# Altium PCB netv2mvp-pvt1b.PCBDOC (part 2 of 7) (continued)
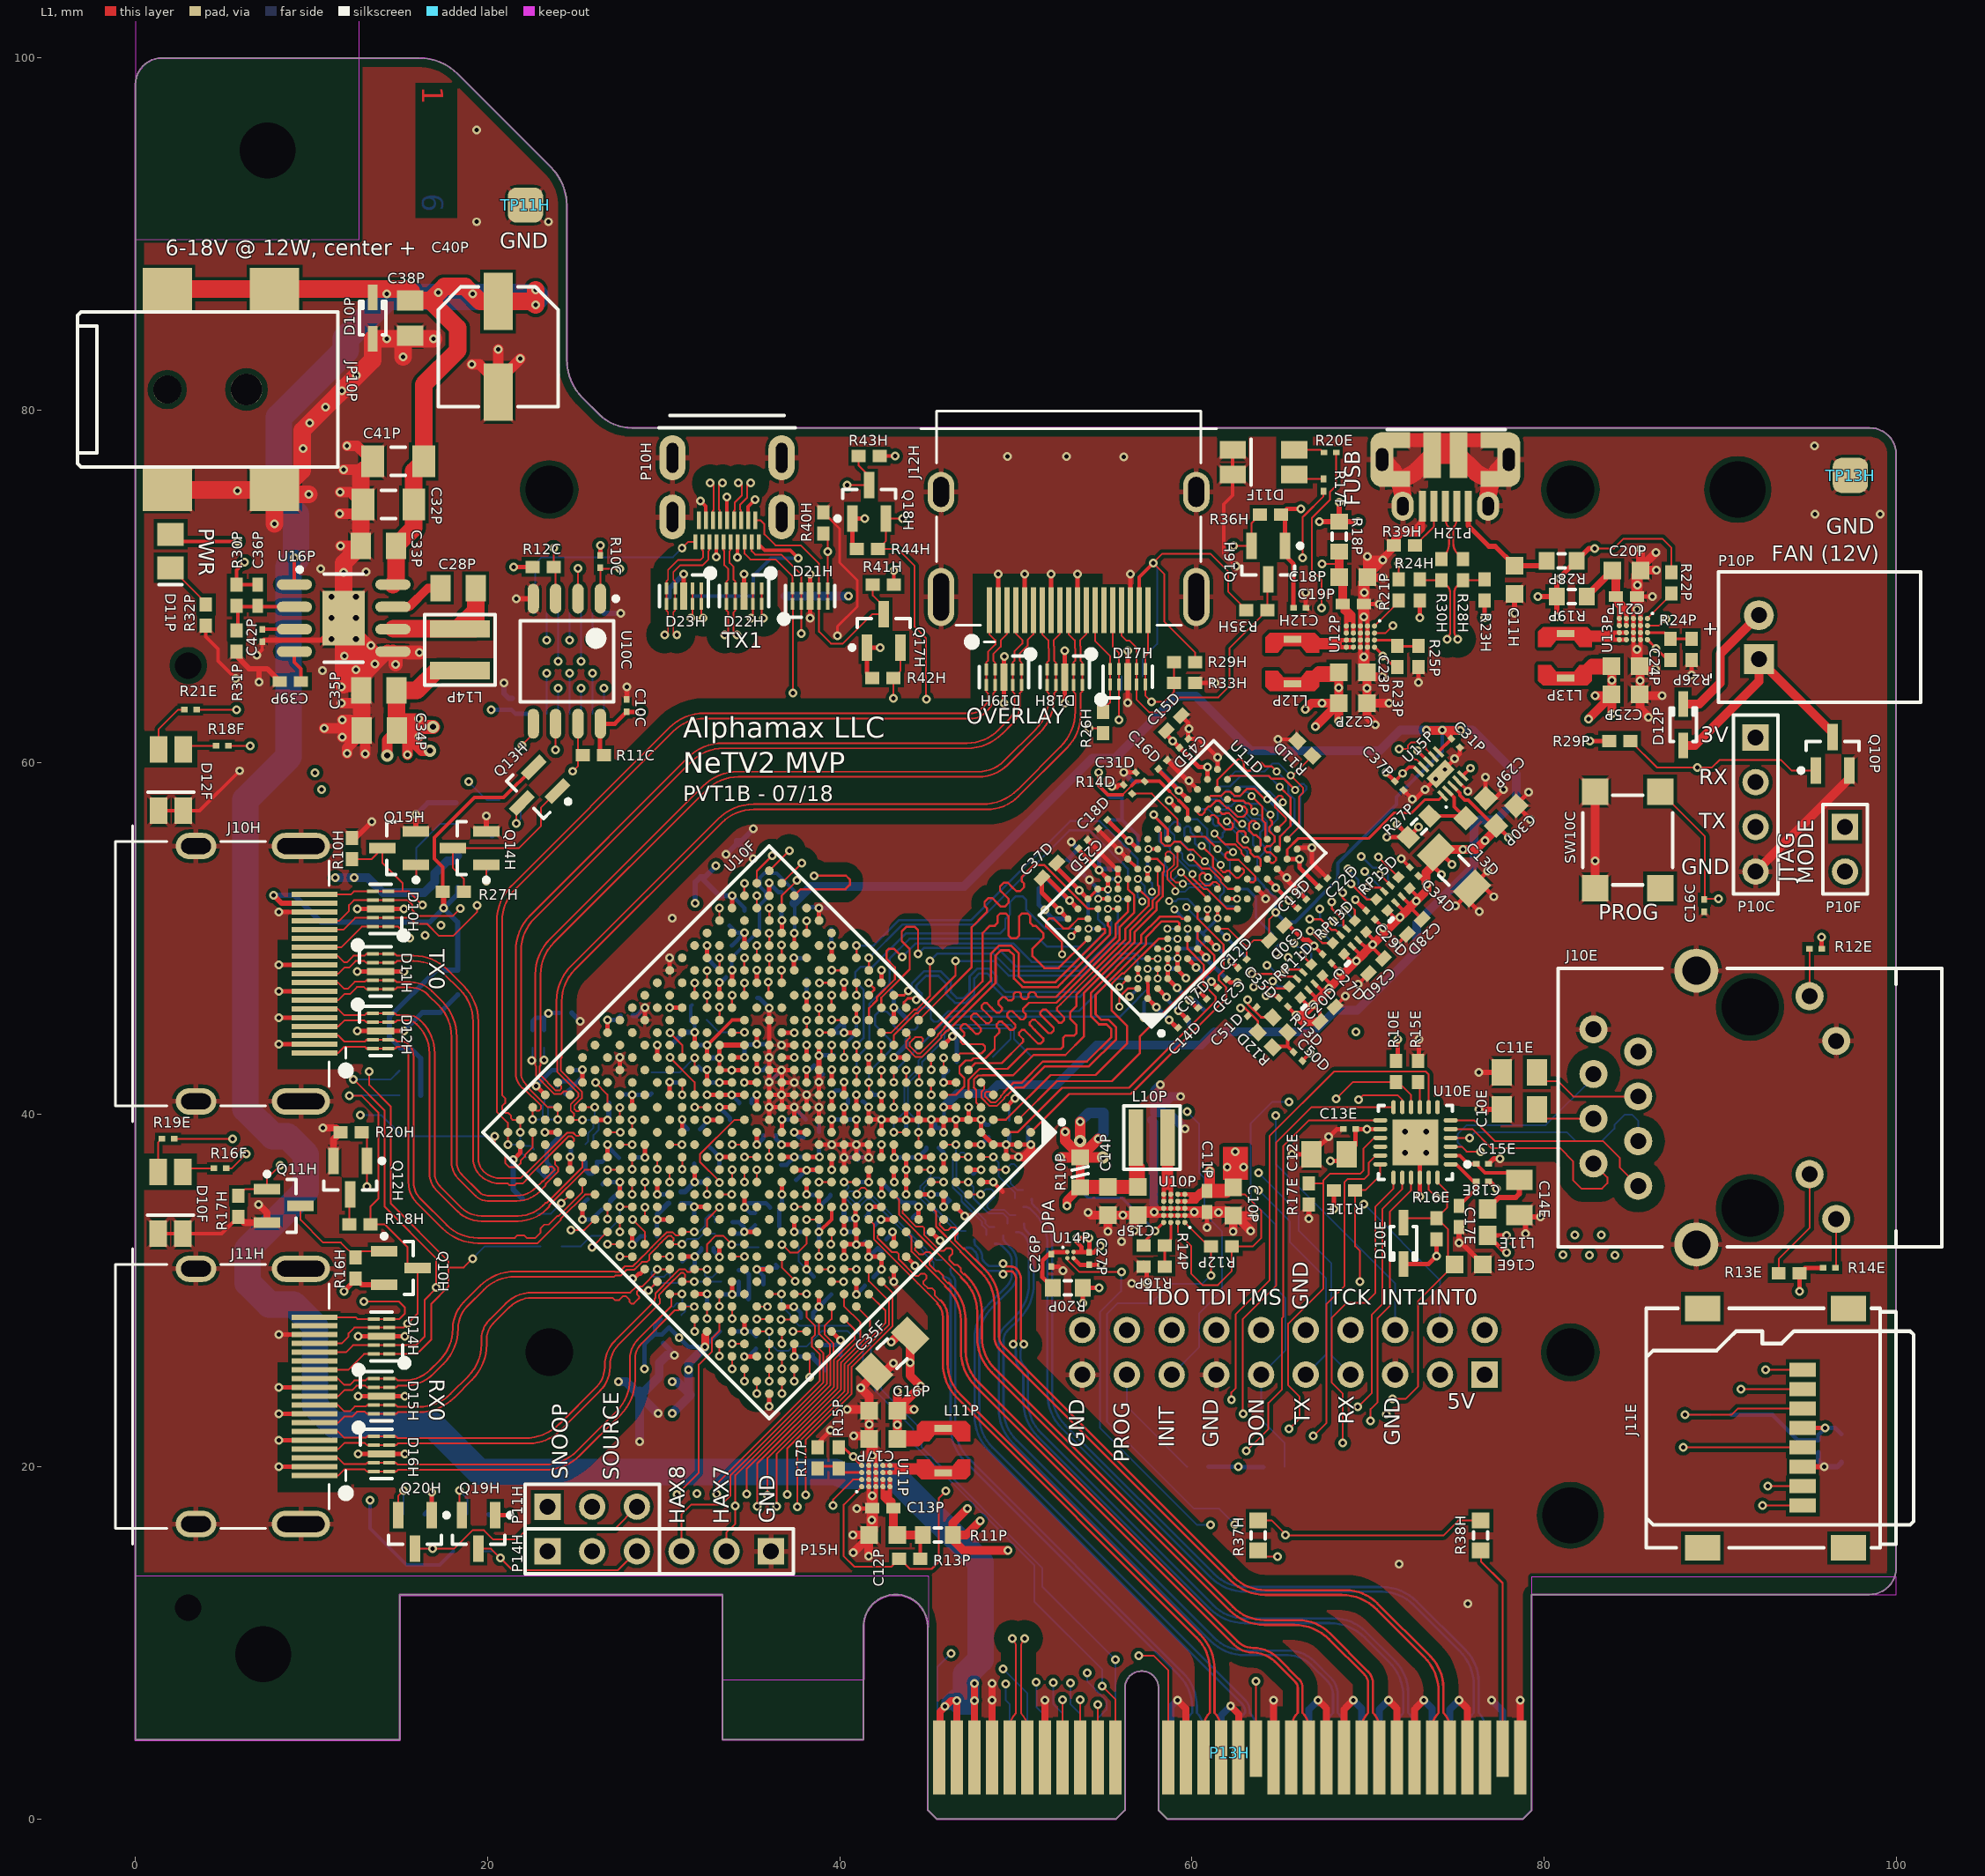
[diagram p0: L1 view]
## Free pads (board coordinates)
  round 2.5 hole 2.7 unplated mask+1.5: 0(23.5,26.5) 0(23.5,75.5) 0(81.5,26.5)
  round 1 smd far side: 0(52.9,34.825) 2(57.9,33.4)
  round 2.5 hole 3.18 unplated mask+2: 0(81.5,17.25) 0(91,75.5)
  round 2.5 hole 2.7 unplated mask+1.3: 0(81.5,75.5)
  rect 2.489x0.051 on Bottom Overlay: 1(81.164,59.052) 1(81.164,59.103) 1(81.164,59.153) 1(83.45,61.439)
  rect 2.54x0.051 on Bottom Overlay: 1(81.189,58.798) 1(81.189,58.899) 1(81.189,58.95) 1(81.189,59.001) 1(81.189,59.204) 1(81.189,59.306) 1(81.189,59.357) 1(81.189,59.407) 1(81.189,58.849) 1(81.189,59.255) 1(81.291,59.611) 1(85.609,59.611) 1(85.711,58.849) 1(85.711,58.899) 1(85.711,58.95) 1(85.711,59.001) 1(85.711,59.052) 1(85.711,59.103) 1(85.711,59.153) 1(85.711,59.204) 1(85.711,59.255) 1(85.711,59.306) 1(85.711,59.357) 1(85.711,59.407)
  rect 2.591x0.051 on Bottom Overlay: 1(81.215,58.747) 1(81.215,59.458) 1(81.215,59.509) 1(81.215,59.56) 1(81.215,58.696) 1(81.266,58.645) 1(85.634,58.645) 1(85.685,58.696) 1(85.685,59.458) 1(85.685,58.747) 1(85.685,58.798) 1(85.685,59.509)
  rect 0.102x0.051 on Bottom Overlay: 1(81.291,61.897) 1(82.358,56.664) 1(84.542,56.664) 1(85.609,61.897)
  rect 0.254x0.051 on Bottom Overlay: 1(81.316,56.41) 1(81.316,61.846) 1(82.332,56.715) 1(84.568,56.715) 1(85.584,56.41) 1(85.584,61.846)
  rect 0.356x0.051 on Bottom Overlay: 1(81.316,56.461) 1(81.316,61.795) 1(82.282,56.766) 1(84.618,56.766) 1(85.584,61.795)
  rect 0.152x0.051 on Bottom Overlay: 1(81.316,56.359) 1(85.584,56.359)
  rect 0.457x0.051 on Bottom Overlay: 1(81.316,61.744)
  rect 0.508x0.051 on Bottom Overlay: 1(81.342,56.512) 1(85.558,56.512) 1(85.558,61.744)
  rect 0.61x0.051 on Bottom Overlay: 1(81.342,56.563) 1(81.342,61.693) 1(85.558,61.693)
  rect 0.711x0.051 on Bottom Overlay: 1(81.342,61.643)
  rect 0.762x0.051 on Bottom Overlay: 1(81.367,56.613) 1(85.533,56.613) 1(85.533,61.643)
  rect 0.864x0.051 on Bottom Overlay: 1(81.367,56.664) 1(81.367,61.592) 1(83.45,62.659) 1(85.533,56.664) 1(85.533,61.592)
  rect 0.965x0.051 on Bottom Overlay: 1(81.367,61.541) 1(83.45,62.506) 1(83.45,62.557) 1(83.45,62.608) 1(85.533,61.541)
  rect 1.016x0.051 on Bottom Overlay: 1(81.393,56.715) 1(83.425,62.455) 1(85.507,56.715)
  rect 2.337x0.051 on Bottom Overlay: 1(81.393,58.595) 1(82.155,60.119) 1(85.507,58.595)
  rect 1.219x0.051 on Bottom Overlay: 1(81.393,61.439) 1(83.425,61.897) 1(85.507,61.439)
  rect 1.118x0.051 on Bottom Overlay: 1(81.393,61.49) 1(81.393,56.766) 1(83.425,62.151) 1(85.507,61.49) 1(85.507,56.766)
  rect 2.286x0.051 on Bottom Overlay: 1(81.418,59.661) 1(84.72,60.119) 1(85.431,59.661)
  rect 2.134x0.051 on Bottom Overlay: 1(81.545,58.544) 1(82.053,60.068) 1(84.847,60.068) 1(85.355,58.544)
  rect 1.829x0.051 on Bottom Overlay: 1(81.596,56.918) 1(81.697,57.172) 1(81.748,57.274) 1(81.748,58.442) 1(81.748,59.763) 1(81.799,58.391) 1(81.799,59.814) 1(82.002,57.833) 1(82.002,57.883) 1(84.898,57.833) 1(84.898,57.883) 1(85.05,59.865) 1(85.101,57.325) 1(85.101,58.391) 1(85.101,58.442) 1(85.101,59.814) 1(85.152,57.223) 1(85.152,57.274) 1(85.152,59.763) 1(85.203,57.172) 1(85.304,56.918)
  rect 1.93x0.051 on Bottom Overlay: 1(81.596,56.969) 1(81.901,58.29) 1(81.901,59.966) 1(82.002,58.036) 1(82.002,57.985) 1(84.898,57.985) 1(84.898,58.036) 1(84.999,59.966) 1(84.999,58.29) 1(85.05,58.341) 1(85.304,56.969)
  rect 2.032x0.051 on Bottom Overlay: 1(81.596,59.712) 1(81.951,58.188) 1(82.002,58.087) 1(82.002,58.137) 1(84.898,58.087) 1(84.898,58.137) 1(84.898,58.188) 1(85.304,59.712)
  rect 1.778x0.051 on Bottom Overlay: 1(81.621,56.867) 1(81.774,57.325) 1(81.824,57.375) 1(81.824,57.426) 1(81.875,57.477) 1(81.926,57.579) 1(84.974,57.579) 1(85.025,57.477) 1(85.076,57.375) 1(85.076,57.426) 1(85.279,56.867)
  rect 1.88x0.051 on Bottom Overlay: 1(81.621,57.02) 1(81.621,57.071) 1(81.672,57.121) 1(81.723,58.493) 1(81.723,57.223) 1(81.824,58.341) 1(81.824,59.865) 1(81.875,59.915) 1(81.977,57.934) 1(84.872,57.934) 1(85.025,59.915) 1(85.177,58.493) 1(85.228,57.071) 1(85.228,57.121) 1(85.279,57.02)
  rect 1.676x0.051 on Bottom Overlay: 1(81.621,56.817) 1(81.977,57.68)
  rect 1.727x0.051 on Bottom Overlay: 1(81.901,57.528) 1(81.951,57.629) 1(82.002,57.731) 1(82.002,57.782) 1(83.425,61.592) 1(84.898,57.68) 1(84.898,57.731) 1(84.898,57.782) 1(84.949,57.629) 1(84.999,57.528) 1(85.253,56.817)
  rect 1.981x0.051 on Bottom Overlay: 1(81.926,58.239) 1(81.977,60.017) 1(83.45,61.541) 1(84.923,60.017) 1(84.974,58.239)
  rect 4.674x0.051 on Bottom Overlay: 1(83.425,60.576)
  rect 5.08x0.051 on Bottom Overlay: 1(83.425,60.881)
  rect 4.877x0.051 on Bottom Overlay: 1(83.425,60.728)
  rect 1.27x0.051 on Bottom Overlay: 1(83.45,61.693) 1(83.45,61.744) 1(83.45,61.795) 1(83.45,61.846)
  rect 4.826x0.051 on Bottom Overlay: 1(83.45,60.169) 1(83.45,60.22) 1(83.45,60.677)
  rect 4.724x0.051 on Bottom Overlay: 1(83.45,60.271) 1(83.45,60.627) 1(83.45,60.322)
  rect 4.623x0.051 on Bottom Overlay: 1(83.45,60.423) 1(83.45,60.474) 1(83.45,60.525) 1(83.45,60.373)
  rect 5.029x0.051 on Bottom Overlay: 1(83.45,60.83)
  rect 5.131x0.051 on Bottom Overlay: 1(83.45,60.931)
  rect 5.232x0.051 on Bottom Overlay: 1(83.45,60.982)
  rect 5.334x0.051 on Bottom Overlay: 1(83.45,61.033) 1(83.45,61.084)
  rect 5.537x0.051 on Bottom Overlay: 1(83.45,61.185) 1(83.45,61.236) 1(83.45,61.338)
  rect 5.639x0.051 on Bottom Overlay: 1(83.45,61.287)
  rect 5.436x0.051 on Bottom Overlay: 1(83.45,61.389) 1(83.45,61.135)
  rect 1.473x0.051 on Bottom Overlay: 1(83.45,61.643)
  rect 1.168x0.051 on Bottom Overlay: 1(83.45,61.947) 1(83.45,61.998) 1(83.45,62.049) 1(83.45,62.1)
  rect 1.067x0.051 on Bottom Overlay: 1(83.45,62.303) 1(83.45,62.354) 1(83.45,62.405) 1(83.45,62.201) 1(83.45,62.252)
  rect 4.928x0.051 on Bottom Overlay: 1(83.45,60.779)
  rect 2.184x0.051 on Bottom Overlay: 1(83.45,61.49)
  rect 0.66x0.051 on Bottom Overlay: 1(85.533,56.563)
  rect 0.406x0.051 on Bottom Overlay: 1(85.558,56.461)
  rect 2.642x0.051 on Bottom Overlay: 1(85.66,59.56)
  round 1.3 hole 1.5 unplated: LP(3,12) LP(3,65.5)
  round 2.88 hole 3.18 unplated: MH1(7.25,9.35) MH2(7.5,94.75)

## Via types
v1: diameter 0.5, hole 0.25, L1 to L6, tented both sides, 895 vias
v2: diameter 0.45, hole 0.25, L1 to L6, tented both sides, 57 vias
v3: diameter 0.7, hole 0.33, L1 to L6, 6 vias
v4: diameter 0.7, hole 0.33, L1 to L6, tented both sides, 5 vias
v5: diameter 0.66, hole 0.33, L1 to L6, tented top, 4 vias
v6: diameter 0.5, hole 0.25, L1 to L6, tented top, 2 vias

## Nets (pads, with @x,y where several pads share a name; then routed paths per layer and width w, separated by ;. In a path a pad name is that pad's centre, name@x,y a point inside that pad or via, vN(x,y) a via of type N, cw(c..) or ccw(c..) an arc to the next point about the centre after c; other vN are vias at no path point)
BST5.0: C28P.2 U16P.7 | length 3.1
  L1 w0.5: U16P.7@14.625,68.835 15.535,68.835 16.6,69.9 C28P.2@17.325,69.9
CEC: D10H.1 D10H.10 D14H.1 D14H.10 J10H.13 J11H.13 R15H.1 | length 46.2
  L1 w0.1: J11H.13@10.16,25.5 12.075,25.5 12.975,26.4 D14H.10@13.538,26.4 D14H.1@14.413,26.4 15.975,26.4 16.8,27.225 16.8,29.25 17.775,30.225 17.775,31.325 ; J10H.13@10.16,49.5 11.675,49.5 12.85,50.675 D10H.10@13.487,50.675 D10H.1@14.362,50.675 14.925,50.675 v1(15.575,50.025) ; v1(13.275,42.45) 13.275,41.675 14.5,40.45 14.5,34.95 17.775,31.675 17.775,31.325 ; v1(19.15,31.825) 18.65,31.325 17.775,31.325
  L3 w0.1: v1(13.275,42.45) 12.15,43.575 12.15,46.6 v1(15.575,50.025)
  L6 w0.1: v1(19.15,31.825) 19.85,32.525 R15H.1@23,32.525
CEC_R: R15H.2 U10F.P20 | length 5.3
  L1 w0.1: v1(27.522,34.757) U10F.P20@28.222,34.757
  L6 w0.1: R15H.2@24.2,32.525 25.3,32.525 25.9,33.125 26.575,33.125 27.508,34.058 27.508,34.743 v1(27.522,34.757)
DDC_SCL: D14H.2 D14H.9 J11H.15 P11H.1 R49H.2 U10H.5 | length 79.6
  L1 w0.1: J11H.15@10.16,26.5 11.95,26.5 12.35,26.9 D14H.9@13.538,26.9 D14H.2@14.413,26.9 15.925,26.9 16.425,27.4 16.425,29.475 17.075,30.125 v1(17.075,30.2) 17.075,31.85 14.15,34.775 14.15,40.24 v1(12.383,42.008)
  L3 w0.1: v1(12.383,42.008) 11.85,42.54 11.85,48.175 14.25,50.575 16.05,50.575 v1(16.45,50.175) 16.45,51.275 16.7,51.525 16.7,52.35 16.45,52.6 15.7,52.6 15.15,53.15 15.15,53.725 19.45,58.025 19.45,63.8 21.15,65.5 23.55,65.5 23.75,65.3 24.275,65.3 24.725,65.75 v1(25.3,65.75)
  L4 w0.1: v1(17.075,30.2) 17.075,24.065 P11H.1@23.4,17.74
  L6 w0.1: v1(12.383,42.008) 14.508,42.008 R49H.2@15,42.5 ; v1(25.3,65.75) U10H.5@25.3,68.475
DDC_SCL_LV_N: U10F.T18 U10H.6 | length 34.6
  L1 w0.1: v1(28.222,36.886) U10F.T18@28.222,37.586
  L4 w0.1: v1(25.95,66.95) 26.575,66.95 28.35,65.175 28.35,63.825 27.675,63.15 27.675,43.825 27.937,43.563 27.937,41.979 28.775,41.142 28.775,38.175 28.222,37.622 v1(28.222,36.886)
  L6 w0.1: v1(25.95,66.95) U10H.6@25.95,68.475
DDC_SCL_SRC: D10H.2 D10H.9 J10H.15 P11H.2 | length 87.7
  L1 w0.1: J10H.15@10.16,50.5 11.8,50.5 12.475,51.175 D10H.2@14.362,51.175 15.6,51.175 15.95,50.825 16.575,50.825 17.25,50.15 18.05,50.15 19.4,51.5 v1(19.4,51.875)
  L3 w0.1: v1(10.575,58.45) 9.725,58.45 6.9,55.625 6.9,44.025 5.8,42.925 5.8,40.05 4.675,38.925 4.675,37.8 6.325,36.15 6.325,31.2 10,27.525 10,19.625 13.05,16.575 24.775,16.575 P11H.2@25.94,17.74
  L4 w0.1: v1(10.575,58.45) 9.725,59.3 9.725,59.775 10.075,60.125 11.575,60.125 17.45,54.25 17.45,53.825 v1(19.4,51.875)
DDC_SDA: D14H.4 D14H.7 J11H.16 P14H.1 Q10H.3 R18H.2 R50H.2 U10H.13 | length 76
  L1 w0.1: J11H.16@10.16,27 11.7,27 12.1,27.4 12.1,27.575 12.425,27.9 D14H.7@13.538,27.9 D14H.4@14.413,27.9 15.225,27.9 16.025,28.7 Q10H.3@16.025,31.3 15.575,31.3 15.45,31.425 15.45,32.475 14.15,33.775 R18H.2@13.35,33.775 13.35,34.775 13.8,35.225 13.8,40.1 12.825,41.075 v1(12.15,41.075)
  L3 w0.1: v1(12.15,41.075) 12.75,41.075 13.7,42.025 13.7,42.8 13.15,43.35 13.15,46.825 15.325,49 16.15,49 17.35,50.2 v1(17.35,50.75) 17.35,51.1 17,51.45 17,52.525 16.675,52.85 15.8,52.85 15.5,53.15 15.5,53.625 19.825,57.95 19.825,61.675 21.575,63.425 21.575,64.15 22.5,65.075 v1(23.35,65.075)
  L4 w0.1: v1(15.45,28.125) 16.4,27.175 16.4,23.35 22.125,17.625 22.125,16.475 P14H.1@23.4,15.2
  L6 w0.1: v1(12.15,41.075) 12.175,41.1 R50H.2@15,41.1 ; U10H.13@23.35,62.775 v1(23.35,65.075)
DDC_SDA_LV_N: U10F.V18 U10H.12 | length 30.3
  L1 w0.1: U10F.V18@26.825,39 v1(27.525,39)
  L4 w0.1: v1(24,64.225) 24,62.65 25.875,60.775 25.875,46.8 24.675,45.6 24.675,41.05 26.725,39 v1(27.525,39)
  L6 w0.1: U10H.12@24,62.775 v1(24,64.225)
DDC_SDA_PD: Q12H.1 R20H.1 U10F.F20 | length 28.1
  L1 w0.1: v1(13.15,35.925) Q12H.1@13.15,37.375 R20H.1@13.15,38.7 ; v1(33.879,28.401) U10F.F20@33.879,29.101
  L4 w0.1: v1(13.15,35.925) 15.525,33.55 15.525,33.025 18.85,29.7 23.3,29.7 23.975,29.025 25.125,29.025 26.025,28.125 32,28.125 32.275,27.85 33.328,27.85 v1(33.879,28.401)
DDC_SDA_PU: Q11H.1 R17H.1 U10F.G20 | length 33.6
  L1 w0.1: R17H.1@5.85,35.4 6.225,35.775 Q11H.1@7.475,35.775 7.475,36.375 v1(8.225,37.125) ; v1(33.172,29.108) U10F.G20@33.172,29.808
  L4 w0.1: v1(8.225,37.125) 13.2,37.125 16.15,34.175 16.15,33 19.15,30 23.575,30 24.225,29.35 26.5,29.35 27.325,28.525 31.875,28.525 32.458,29.108 v1(33.172,29.108)
DDC_SDA_SRC: D10H.4 D10H.7 J10H.16 P14H.2 | length 84.2
  L1 w0.1: J10H.16@10.16,51 11.55,51 12.125,51.575 12.125,51.9 12.4,52.175 D10H.7@13.487,52.175 D10H.4@14.362,52.175 15.475,52.175 15.725,51.925 15.725,51.625 16.075,51.275 18.025,51.275 v1(18.45,51.7)
  L3 w0.1: v1(10.203,59.422) 6.55,55.77 6.55,44.17 5.45,43.07 5.45,40.195 4.325,39.07 4.325,37.655 5.975,36.005 5.975,31.055 9.65,27.38 9.65,19.48 12.905,16.225 24.915,16.225 P14H.2@25.94,15.2
  L4 w0.1: v1(10.203,59.422) 11.503,59.422 16.9,54.025 16.9,53.25 v1(18.45,51.7)
DDR3_A0: RP12D.5 U10D.N3 U10F.U6 U11D.N3 | length 58.5
  L1 w0.11: 61.898,55.342 62.462,55.342 62.501,55.302 ; 62.503,55.302 62.738,55.068 ; 62.738,55.066 62.818,54.986 62.818,54.845
  L1 w0.12: v1(35.952,47.527) 35.952,46.826 U10F.U6@36,46.778 ; v2(61.277,55.963) 61.898,55.342 ; 62.818,54.845 U11D.N3@63.15,54.513
  L3 w0.13: v1(35.952,47.527) 35.952,48.114 34.675,49.391 34.675,49.725 35.075,50.125 35.475,50.125 36.575,49.025 36.952,49.025 37.486,49.559 38.059,49.559 38.25,49.75 38.25,50.475 38.4,50.625 39.125,50.625 40.15,51.65 41.775,51.65 41.85,51.725 41.926,51.801 41.926,51.953 41.866,52.013 41.866,52.165 42.018,52.317 42.17,52.317 42.306,52.181 42.442,52.045 42.594,52.045 42.746,52.197 42.746,52.349 42.61,52.485 42.474,52.621 42.474,52.773 42.626,52.925 42.778,52.925 42.914,52.789 43.05,52.653 43.202,52.653 43.354,52.805 43.354,52.957 43.218,53.093 43.082,53.229 43.082,53.381 43.234,53.533 43.386,53.533 43.522,53.397 43.658,53.261 43.81,53.261 43.962,53.413 43.962,53.565 43.826,53.701 43.69,53.837 43.69,53.99 43.842,54.142 43.994,54.142 44.13,54.005 44.267,53.869 44.419,53.869 44.571,54.021 44.571,54.173 44.434,54.309 44.298,54.446 44.298,54.598 44.45,54.75 44.602,54.75 44.739,54.614 44.875,54.477 45.027,54.477 45.179,54.629 45.179,54.781 45.043,54.918 44.906,55.054 44.906,55.206 45.058,55.358 45.211,55.358 45.347,55.222 45.483,55.086 45.635,55.086 45.787,55.238 45.787,55.39 45.651,55.526 45.515,55.662 45.515,55.814 45.667,55.966 45.819,55.966 45.955,55.83 46.091,55.694 46.243,55.694 46.395,55.846 46.395,55.998 46.259,56.134 46.123,56.27 46.123,56.422 46.275,56.574 46.427,56.574 46.563,56.438 46.699,56.302 46.851,56.302 47.003,56.454 47.003,56.606 46.867,56.742 46.731,56.878 46.731,57.03 46.883,57.182 47.035,57.182 47.095,57.122 47.247,57.122 47.375,57.25 47.475,57.25 56.7,57.25 57.475,56.475 60.765,56.475 v2(61.277,55.963) 61.937,55.963 63.25,54.65 63.25,53.825 66.075,51 66.075,50.375 66.43,50.02 67.221,50.02 v1(67.476,50.275)
  L6 w0.11: U10D.N3@60.986,56.874 61.106,56.874 61.209,56.772
  L6 w0.12: U10D.N3@60.887,56.775 U10D.N3@60.986,56.874 ; 61.209,56.772 61.209,56.51 61.318,56.401 61.46,56.401 61.502,56.443 61.644,56.443 61.856,56.231 61.856,56.089 61.757,55.99 61.757,55.792 61.686,55.722 61.518,55.722 v2(61.277,55.963) ; v1(67.476,50.275) RP12D.5@68.002,49.748
DDR3_A1: RP12D.7 U10D.P7 U10F.V4 U11D.P7 | length 51.2
  L1 w0.11: 61.912,57.122 62.098,57.122 v2@62.712,56.507
  L1 w0.12: v1(36.702,49.627) 36.702,48.905 U10F.V4@36.707,48.899 ; U11D.P7@61.453,57.341 61.714,57.079 61.87,57.079 61.912,57.122 ; v2@62.712,56.507 v2(62.854,56.507)
  L3 w0.13: v1(36.702,49.627) 36.702,50.277 37.6,51.175 37.6,51.975 37.95,52.325 39.525,52.325 39.775,52.575 39.852,52.652 39.852,52.807 39.795,52.865 39.795,53.019 39.95,53.174 40.105,53.174 40.24,53.04 40.374,52.905 40.529,52.905 40.684,53.06 40.684,53.215 40.549,53.349 40.415,53.484 40.415,53.639 40.569,53.794 40.724,53.794 40.859,53.659 40.994,53.524 41.149,53.524 41.303,53.679 41.303,53.834 41.169,53.969 41.034,54.103 41.034,54.258 41.189,54.413 41.344,54.413 41.478,54.278 41.613,54.144 41.768,54.144 41.923,54.299 41.923,54.453 41.788,54.588 41.653,54.723 41.653,54.878 41.808,55.033 41.963,55.033 42.098,54.898 42.233,54.763 42.387,54.763 42.542,54.918 42.542,55.073 42.408,55.208 42.273,55.342 42.273,55.497 42.428,55.652 42.583,55.652 42.717,55.517 42.852,55.383 43.007,55.383 43.162,55.537 43.162,55.692 43.027,55.827 42.892,55.962 42.892,56.117 43.047,56.271 43.202,56.271 43.337,56.137 43.471,56.002 43.626,56.002 43.781,56.157 43.781,56.312 43.646,56.446 43.512,56.581 43.512,56.736 43.667,56.891 43.821,56.891 43.956,56.756 44.091,56.621 44.246,56.621 44.401,56.776 44.401,56.931 44.266,57.066 44.131,57.201 44.131,57.355 44.286,57.51 44.441,57.51 44.498,57.453 44.653,57.453 44.875,57.675 45,57.8 58.075,57.8 58.7,57.175 62.186,57.175 v2(62.854,56.507) 63.8,55.561 63.8,54.475 66.525,51.75 66.625,51.75 67.4,50.975 v1(68.05,50.975)
  L6 w0.12: v2(62.854,56.507) 63.468,55.893 63.468,55.326 U10D.P7@63.716,55.078 ; v1(68.05,50.975) 68.275,50.75 68.61,50.75 RP12D.7@68.807,50.553
DDR3_A2: RP12D.8 U10D.P3 U10F.W5 U11D.P3 | length 53
  L1 w0.12: U10F.W5@35.293,48.899 v1(35.293,49.599) ; v2(63.667,56.373) 63.667,56.578 63.561,56.683 63.412,56.683 63.256,56.528 63.256,56.132 63.525,55.863 63.666,55.863 63.906,55.623 63.906,55.269 U11D.P3@63.716,55.078
  L4 w0.13: v1(35.293,49.599) 36.066,49.599 38.967,52.5 42,52.5 42.45,52.95 43.525,52.95 43.65,53.075 43.761,53.186 43.761,53.409 43.418,53.752 43.418,53.975 43.641,54.198 43.864,54.198 44.318,53.743 44.386,53.676 44.609,53.676 44.831,53.898 44.831,54.121 44.764,54.189 44.309,54.643 44.309,54.866 44.532,55.088 44.755,55.088 45.209,54.634 45.277,54.567 45.5,54.567 45.722,54.789 45.722,55.012 45.655,55.08 45.2,55.534 45.2,55.757 45.423,55.979 45.646,55.979 46.1,55.525 46.168,55.457 46.391,55.457 46.613,55.68 46.613,55.903 46.546,55.971 46.091,56.425 46.091,56.648 46.314,56.87 46.537,56.87 46.991,56.416 47.059,56.348 47.281,56.348 47.504,56.571 47.504,56.794 47.504,56.929 47.7,57.125 47.8,57.125 57.05,57.125 57.6,56.575 58.25,56.575 58.8,57.125 62.275,57.125 62.475,56.925 63.115,56.925 v2(63.667,56.373) 66.99,53.05 67.55,53.05 68.661,51.939 v1(68.661,51.6)
  L6 w0.11: 62.187,57.315 62.564,56.938 62.989,56.938 v2@63.554,56.373
  L6 w0.12: U10D.P3@61.453,57.341 61.686,57.341 61.712,57.315 62.187,57.315 ; v2@63.554,56.373 v2(63.667,56.373) ; v1(68.661,51.6) RP12D.8@69.258,51.004
DDR3_A3: RP13D.7 U10D.N2 U10F.V5 U11D.N2 | length 56.6
  L1 w0.11: 62.577,56.005 62.577,55.511 62.918,55.17 63.163,55.17
  L1 w0.12: U10F.V5@36,48.192 v1(36,48.892) ; 62.577,56.005 62.676,56.104 62.946,56.103 63.045,56.004 v2(63.045,55.609) ; 63.163,55.17 63.317,55.015 63.317,54.882 63.544,54.655 63.742,54.655 63.906,54.491 63.906,54.138 U11D.N2@63.716,53.947 ; v1(66.7,51.1) 67.325,51.1 67.925,50.5 68.152,50.5 RP13D.7@68.453,50.199
  L4 w0.11: 36.6,49.125 36.783,49.125 37.258,49.6
  L4 w0.13: v1(36,48.892) 36.3,48.592 36.3,48.425 36.15,48.275 35.825,48.275 35.45,48.65 35.45,49.1 35.725,49.375 36.25,49.375 36.5,49.125 36.6,49.125 ; 37.258,49.6 37.475,49.6 39.875,52 42.075,52 42.65,52.575 44.925,52.575 45.15,52.8 45.261,52.911 45.261,53.134 45.131,53.265 45.131,53.488 45.353,53.71 45.576,53.71 45.818,53.468 46.06,53.226 46.283,53.226 46.506,53.449 46.506,53.672 46.264,53.914 46.022,54.156 46.022,54.379 46.244,54.601 46.467,54.601 46.709,54.359 46.951,54.117 47.174,54.117 47.397,54.34 47.397,54.562 47.155,54.805 46.912,55.047 46.912,55.27 47.135,55.492 47.358,55.492 47.6,55.25 47.842,55.008 48.065,55.008 48.288,55.231 48.288,55.453 48.046,55.696 47.803,55.938 47.803,56.161 48.026,56.383 48.249,56.383 48.491,56.141 48.733,55.899 48.956,55.899 49.179,56.122 49.179,56.344 49.048,56.475 49.048,56.698 49.15,56.8 49.275,56.8 56.9,56.8 57.375,56.325 61.101,56.325 61.119,56.343 61.582,56.343 62.316,55.609 v2(63.045,55.609) 64.675,53.979 64.675,53.6 66.1,52.175 66.1,51.7 v1(66.7,51.1)
  L6 w0.11: 60.922,57.341 61.298,56.966 61.608,56.966 61.747,57.105 62.115,57.105 62.417,56.803 62.417,56.379 v2@63.045,55.751
  L6 w0.12: U10D.N2@60.321,57.341 60.922,57.341 ; v2(63.045,55.609) v2@63.045,55.751
DDR3_A4: RP14D.5 U10D.P8 U10F.AA1 U11D.P8 | length 48.2
  L1 w0.12: U10F.AA1@36.707,53.142 v1(37.839,54.274) ; U11D.P8@60.887,57.907 61.077,58.097 61.657,58.097 61.898,58.338 62.188,58.338 62.429,58.097 62.739,58.097 63.146,58.504 63.544,58.504 64.141,57.907 v2(64.282,57.907)
  L3 w0.13: v1(37.839,54.274) 43.415,59.85 60,59.85 61.175,58.675 63.514,58.675 v2(64.282,57.907) 66.064,56.125 66.7,56.125 v1(68.875,53.95)
  L6 w0.11: 64.703,55.824 64.471,56.055 64.471,56.386 64.882,56.797
  L6 w0.12: U10D.P8@64.281,54.513 64.444,54.675 64.444,55.254 64.703,55.513 64.703,55.824 ; v2(64.282,57.907) 64.882,57.307 64.882,56.797 ; v1(68.875,53.95) 68.875,53.9 69.45,53.325 69.45,52.8 70.027,52.223 RP14D.5@70.477,52.223
DDR3_A5: RP15D.7 U10D.P2 U10F.Y2 U11D.P2 | length 48.1
  L1 w0.11: 64.558,56.482 64.387,56.312 64.387,56.108 64.704,55.791
  L1 w0.12: U10F.Y2@36.707,51.728 36.707,52.425 v1(37.579,53.296) ; U11D.P2@64.281,54.513 64.488,54.305 64.633,54.305 64.774,54.447 64.774,54.588 64.467,54.896 64.26,54.896 64.161,54.995 64.161,55.143 64.26,55.242 64.448,55.242 64.704,55.498 64.704,55.791 ; v2(64.459,57.024) 64.459,56.741 64.558,56.642 64.558,56.482 ; v1(69.95,52.9) 70.702,52.9 RP15D.7@70.928,52.674
  L4 w0.13: v1(37.579,53.296) 37.875,53 41.9,53 46.325,57.425 57.325,57.425 57.475,57.575 58.125,57.575 58.275,57.425 60.2,57.425 60.55,57.775 62.975,57.775 63.046,57.704 63.778,57.704 v2(64.459,57.024) 65.857,55.625 66.95,55.625 67.325,55.25 67.325,54.925 68.725,53.525 69.325,53.525 v1(69.95,52.9)
  L6 w0.12: U10D.P2@60.887,57.907 61.417,57.907 61.793,57.531 62.241,57.531 62.511,57.801 62.894,57.801 63.037,57.657 63.825,57.657 v2(64.459,57.024)
DDR3_A6: RP14D.7 U10D.R8 U10F.AB1 U11D.R8 | length 51.9
  L1 w0.12: U10F.AB1@36,53.849 v1(37.132,54.982) ; U11D.R8@61.453,58.472 61.453,59.011 62.628,60.186 62.793,60.186 62.957,60.023 62.957,59.684 63.115,59.526 63.296,59.526 63.758,59.988 63.932,59.988 64.14,59.781 64.53,59.781 v2(64.812,59.498)
  L3 w0.12: 61.012,60.175 61.689,59.498
  L3 w0.13: v1(37.132,54.982) 42.326,60.175 61.012,60.175 ; 61.689,59.498 v2(64.812,59.498) 65.425,58.886 65.425,58.3 68.1,55.625 68.65,55.625 v1(69.625,54.65)
  L6 w0.12: v2(64.812,59.498) 65.468,58.843 65.468,58.277 65.826,57.919 65.826,56.616 64.995,55.785 64.995,55.227 U10D.R8@64.847,55.078 ; v1@69.8,54.5 70.275,54.025 70.95,54.025 71.134,53.841 71.134,53.175 RP14D.7@71.282,53.028
DDR3_A7: RP15D.6 U10D.R2 U10F.AB3 U11D.R2 | length 50.2
  L1 w0.12: U10F.AB3@34.586,52.435 v1(34.586,53.135) ; U11D.R2@64.847,55.078 65.01,55.241 65.01,55.8 65.605,56.395 65.605,57.999 v2(64.989,58.615) ; v1(70.675,53.625) 70.684,53.625 RP15D.6@71.282,53.028
  L4 w0.11: 59.364,58.864 59.678,58.55
  L4 w0.13: v1(34.586,53.135) 35.11,53.135 36.05,54.075 36.925,54.075 37.625,54.775 46.25,58.166 55.916,58.166 56.6,58.85 59.35,58.85 ; 59.678,58.55 60.3,58.55 60.525,58.775 64.525,58.775 64.685,58.615 v2(64.989,58.615) 68.277,55.327 69.548,55.327 70.05,54.825 70.05,54.25 v1(70.675,53.625) v1@70.7,53.625
  L6 w0.12: U10D.R2@61.453,58.472 61.615,58.635 62.167,58.635 62.758,59.226 64.377,59.226 v2(64.989,58.615)
DDR3_A8: RP15D.5 U10D.T8 U10F.AB2 U11D.T8 | length 49.4
  L1 w0.12: U10F.AB2@35.293,53.142 35.293,53.839 v1(36.164,54.711) ; U11D.T8@62.018,59.038 62.218,59.238 64.358,59.238 64.525,59.07 65.241,59.07 v2(65.873,58.438) ; v1@70.718,54.493 RP15D.5@71.732,53.478
  L4 w0.13: v1(36.164,54.711) 36.979,55.525 46.55,58.771 54.871,58.771 55.13,59.03 55.795,59.03 55.825,59 56.35,59 56.725,59.375 60.2,59.375 60.475,59.1 65.211,59.1 v2(65.873,58.438) 68.6,55.711 69.514,55.711 v1(70.6,54.625)
  L6 w0.12: U10D.T8@65.413,55.644 66.166,56.398 66.166,58.133 66.508,58.475 66.508,58.616 66.35,58.774 66.209,58.774 v2(65.873,58.438)
DDR3_A9: RP15D.8 U10D.R3 U10F.Y3 U11D.R3 | length 51.7
  L1 w0.11: U11D.R3@64.178,55.746 64.178,56.56
  L1 w0.12: U10F.Y3@36,51.021 v1(36,51.721) ; v2(63.398,58.084) 64.004,57.478 64.004,56.734 64.178,56.56 ; U11D.R3@64.178,55.746 64.28,55.644 U11D.R3@64.281,55.644 ; v1(69.05,53.1) 69.927,52.223 RP15D.8@70.477,52.223
  L3 w0.13: v1(36,51.721) 35.279,51.721 34.05,52.95 34.05,53.4 34.5,53.85 38.04,53.85 43.24,59.05 54.25,59.05 54.375,58.925 54.975,58.925 55.1,59.05 55.7,59.05 55.875,58.875 56.6,58.875 56.775,59.05 57.975,59.05 58.3,59.375 60.125,59.375 61.125,58.375 63.107,58.375 v2(63.398,58.084) 64.05,57.432 64.05,56.895 65.845,55.1 66.3,55.1 67.3,54.1 68.05,54.1 v1(69.05,53.1)
  L6 w0.12: U10D.R3@62.018,57.907 61.956,57.845 61.799,57.845 61.648,57.996 61.648,58.108 61.963,58.422 62.084,58.422 62.446,58.061 62.728,58.061 62.991,58.324 63.158,58.324 v2(63.398,58.084)
DDR3_A10: RP10D.8 U10D.L7 U10F.W6 U11D.L7 | length 53.2
  L1 w0.12: U10F.W6@34.586,48.192 v1(34.586,48.892) ; U11D.L7@59.756,55.644 59.897,55.785 60.747,55.785 v2(61.454,55.079)
  L3 w0.13: v1(34.586,48.892) 34.586,48.214 35.725,47.075 36.147,47.075 38.725,49.653 38.725,49.775 39.4,50.45 40.025,50.45 40.725,51.15 42.675,51.15 42.85,51.325 43.005,51.48 43.237,51.712 43.392,51.712 43.449,51.655 43.604,51.655 43.759,51.81 43.759,51.965 43.624,52.099 43.49,52.234 43.49,52.389 43.644,52.544 43.799,52.544 43.934,52.409 44.069,52.274 44.224,52.274 44.378,52.429 44.378,52.584 44.244,52.719 44.109,52.853 44.109,53.008 44.264,53.163 44.419,53.163 44.553,53.028 44.688,52.894 44.843,52.894 44.998,53.049 44.998,53.203 44.863,53.338 44.728,53.473 44.728,53.628 44.883,53.783 45.038,53.783 45.173,53.648 45.308,53.513 45.462,53.513 45.617,53.668 45.617,53.823 45.483,53.958 45.348,54.092 45.348,54.247 45.503,54.402 45.658,54.402 45.792,54.267 45.927,54.133 46.082,54.133 46.237,54.287 46.237,54.442 46.102,54.577 45.967,54.712 45.967,54.867 46.122,55.021 46.277,55.021 46.412,54.887 46.546,54.752 46.701,54.752 46.856,54.907 46.856,55.062 46.721,55.196 46.587,55.331 46.587,55.486 46.742,55.641 46.896,55.641 47.031,55.506 47.166,55.371 47.321,55.371 47.476,55.526 47.476,55.681 47.341,55.816 47.206,55.951 47.206,56.105 47.361,56.26 47.516,56.26 47.573,56.203 47.728,56.203 47.938,56.413 48.425,56.9 56.65,56.9 57.396,56.154 60.379,56.154 v2(61.454,55.079) 63.725,52.808 63.725,51.8 v1(65.8,49.725)
  L6 w0.12: v2(61.454,55.079) 62.161,54.371 62.161,53.524 U10D.L7@62.018,53.381 ; v1(65.8,49.725) 66,49.525 66.425,49.525 66.783,49.167 RP10D.8@66.783,48.529
DDR3_A11: RP13D.5 U10D.R7 U10F.Y1 U11D.R7 | length 47.1
  L1 w0.12: U10F.Y1@37.414,52.435 37.779,52.8 40.325,52.8 40.575,53.05 40.575,53.35 40.358,53.567 v1(38.547,53.567) ; U11D.R7@62.019,57.907 62.301,57.907 62.376,57.832 62.926,57.832 63.071,57.688 63.228,57.688 63.368,57.548 63.368,57.408 v2(63.575,57.2) ; v1@68.65,52.675 v1(68.575,52.6) 68.55,52.575 68.55,52.325 69.258,51.617 RP13D.5@69.258,51.004
  L3 w0.11: 55.155,58.23 55.63,58.23 55.775,58.375
  L3 w0.12: 59.278,58.95 60.128,58.1
  L3 w0.13: v1(38.547,53.567) 43.604,58.625 54.775,58.625 55.155,58.245 ; 55.775,58.375 55.988,58.588 58.113,58.588 58.475,58.95 59.278,58.95 ; 60.128,58.1 62.675,58.1 v2(63.575,57.2)
  L4 w0.13: v2(63.575,57.2) 65.6,55.175 66.125,55.175 67.75,53.55 67.975,53.55 68.575,52.95 v1(68.575,52.6)
  L6 w0.11: v2(63.575,57.2) 63.778,56.997 63.92,56.997 64.271,56.645 U10D.R7@64.271,55.654
  L6 w0.12: U10D.R7@64.271,55.654 U10D.R7@64.281,55.644
DDR3_A12: RP13D.6 U10D.N7 U10F.V2 U11D.N7 | length 49.1
  L1 w0.12: U10F.V2@38.121,50.314 v1(38.121,51.013) ; U11D.N7@60.887,56.775 61.12,57.009 61.276,57.009 61.508,56.777 61.508,56.58 61.9,56.188 62.209,56.188 62.323,56.302 62.323,56.507 62.159,56.67 v2(61.984,56.67) ; v1(67.95,52.075) 67.95,51.7 68.6,51.05 68.6,50.76 RP13D.6@68.807,50.553
  L3 w0.13: v1(38.121,51.013) 38.788,51.013 39.917,52.142 40.792,52.142 41.025,52.375 41.18,52.53 41.412,52.762 41.567,52.762 41.624,52.705 41.779,52.705 41.934,52.86 41.934,53.015 41.799,53.149 41.665,53.284 41.665,53.439 41.819,53.594 41.974,53.594 42.109,53.459 42.244,53.324 42.399,53.324 42.553,53.479 42.553,53.634 42.419,53.769 42.284,53.903 42.284,54.058 42.439,54.213 42.594,54.213 42.728,54.078 42.863,53.944 43.018,53.944 43.173,54.099 43.173,54.253 43.038,54.388 42.903,54.523 42.903,54.678 43.058,54.833 43.213,54.833 43.348,54.698 43.483,54.563 43.637,54.563 43.792,54.718 43.792,54.873 43.658,55.008 43.523,55.142 43.523,55.297 43.678,55.452 43.833,55.452 43.967,55.317 44.102,55.183 44.257,55.183 44.412,55.337 44.412,55.492 44.277,55.627 44.142,55.762 44.142,55.917 44.297,56.071 44.452,56.071 44.587,55.937 44.721,55.802 44.876,55.802 45.031,55.957 45.031,56.112 44.896,56.246 44.762,56.381 44.762,56.536 44.917,56.691 45.071,56.691 45.206,56.556 45.341,56.421 45.496,56.421 45.651,56.576 45.651,56.731 45.516,56.866 45.381,57.001 45.381,57.155 45.536,57.31 45.691,57.31 45.748,57.253 45.903,57.253 46.012,57.362 46.175,57.525 57.975,57.525 58.65,56.85 61.378,56.85 61.558,56.67 v2(61.984,56.67)
  L4 w0.13: v2(61.984,56.67) 62.604,56.05 63.375,56.05 66.913,52.513 67.513,52.513 v1(67.95,52.075)
  L6 w0.11: v2@61.984,56.529 62.599,55.913 62.599,55.489
  L6 w0.12: v2@61.984,56.529 v2(61.984,56.67) ; 62.599,55.489 63.15,54.938 U10D.N7@63.15,54.513